# KiCad board XG_Mobile_Dock.kicad_pcb (continued)
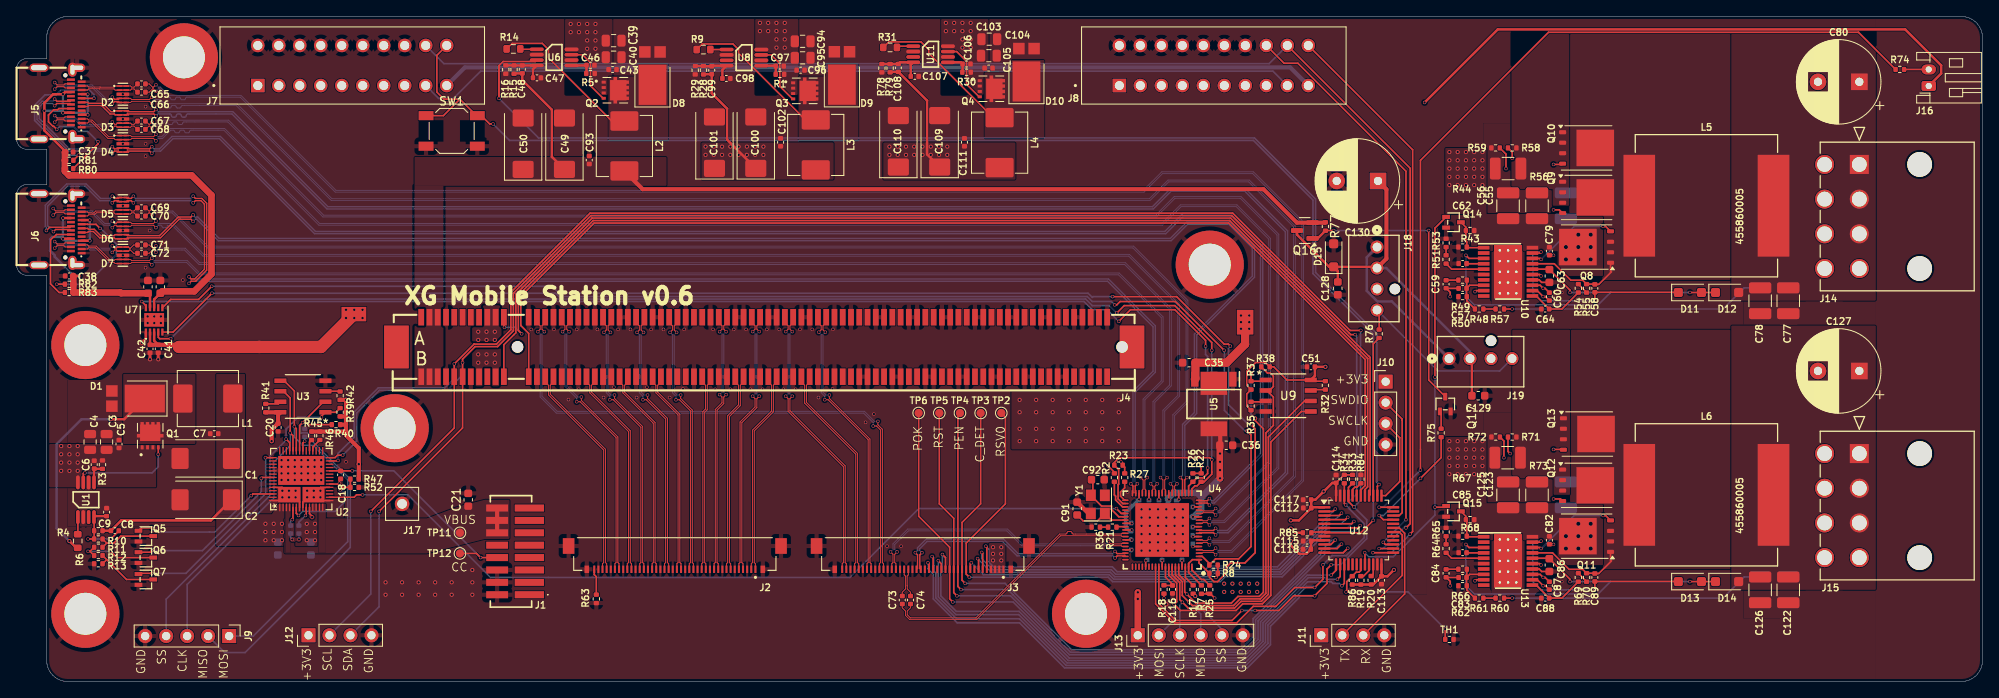
[diagram p0: board, top side]
## Library data of the parts (continued)
J4 = -: MAXIMUM_PACKAGE_HEIGHT: 11 mm; Part_Number: 3113-113T; LCSC: C404104
J5 J6 = -: Datasheet: https://www.usb.org/sites/default/files/documents/usb_type-c.zip; Description: USB Full-Featured Type-C Receptacle connector; LCSC: C2681555; Part_Number: TYPE-C 24P QT; ki_fp_filters: USB*C*Receptacle*
J7 = -: Description: Generic connector, double row, 02x10, odd/even pin numbering scheme (row 1 odd numbers, row 2 even numbers), script generated (kicad-library-utils/schlib/autogen/connector/); LCSC: C305933; Part_Number: 5-5530843-0; ki_fp_filters: Connector*:*_2x??_*
J8 = -: Description: Generic connector, double row, 02x10, odd/even pin numbering scheme (row 1 odd numbers, row 2 even numbers), script generated (kicad-library-utils/schlib/autogen/connector/); Part_Number: 5-5530843-0; LCSC: C305933; ki_fp_filters: Connector*:*_2x??_*
J9 = -: Description: Generic connector, single row, 01x05, script generated (kicad-library-utils/schlib/autogen/connector/); Part_Number: 2.54-1*5; LCSC: C5156614; ki_fp_filters: Connector*:*_1x??_*
J10-J12 = -: Description: Generic connector, single row, 01x04, script generated (kicad-library-utils/schlib/autogen/connector/); Part_Number: 2.54-1*4; LCSC: C5116483; ki_fp_filters: Connector*:*_1x??_*
J13 = -: Description: Generic connector, single row, 01x06, script generated (kicad-library-utils/schlib/autogen/connector/); Part_Number: 2.54-1*6; LCSC: C5156615; ki_fp_filters: Connector*:*_1x??_*
J14 J15 = -: Description: Generic connector, double row, 02x04, top/bottom pin numbering scheme (row 1: 1...pins_per_row, row2: pins_per_row+1 ... num_pins), script generated (kicad-library-utils/schlib/autogen/connector/); Part_Number: 0455860005; LCSC: C17693884; ki_fp_filters: Connector*:*_2x??_*
J16 = -: Description: Generic connector, single row, 01x02, script generated (kicad-library-utils/schlib/autogen/connector/); Part_Number: S2B-PH-KL(LF)(SN); LCSC: C160237; ki_fp_filters: Connector*:*_1x??_*
J17 = -: PARTREV: C; STANDARD: Manufacturer Recommendations; MAXIMUM_PACKAGE_HEIGHT: 6.25 mm; MANUFACTURER: Keystone; LCSC: C7200700
J18 J19 = -: Description: Generic connector, single row, 01x04, script generated (kicad-library-utils/schlib/autogen/connector/); Part_Number: 470531000; LCSC: C240840; ki_fp_filters: Connector*:*_1x??_*
L1-L4 = -: Description: Inductor; Part_Number: TMPA0605S-100MN-D; LCSC: C2880077; ki_fp_filters: Choke_* *Coil* Inductor_* L_*
L5 L6 = -: Description: Inductor with iron core; Part_Number: SMMS1770-100M; LCSC: C2976967; ki_fp_filters: Choke_* *Coil* Inductor_* L_*
Q1-Q4 = -: PARTREV: G; STANDARD: Manufacturer Recommendations; MAXIMUM_PACKAGE_HEIGHT: 0.9 mm; MANUFACTURER: Alpha & Omega; LCSC: C115841
Q5-Q7 Q14 Q15 Q17 = -: LCSC: C7420322; ki_fp_filters: SOT?323*
Q8 Q11 = -: Datasheet: http://www.ti.com/lit/gpn/csd18563q5a; Description: 100A Id, 60V Vds, NexFET N-Channel Power MOSFET, 6.8mOhm Ron, 15nC Qg(typ), SON8 5x6mm; LCSC: C77239; ki_fp_filters: TDSON*
Q9 Q10 Q12 Q13 = -: Datasheet: http://www.ti.com/lit/gpn/csd18532q5b; Description: 100A Id, 60V Vds, NexFET N-Channel Power MOSFET, 3.2mOhm Ron, 44nC Qg(typ), SON8 5x6mm; Part_Number: CSD18532Q5BT; LCSC: C2876541; ki_fp_filters: TDSON*
Q16 = -: Datasheet: http://www.aosmd.com/pdfs/datasheet/AO3401A.pdf; Description: -4.0A Id, -30V Vds, P-Channel MOSFET, SOT-23; LCSC: C15127; ki_fp_filters: SOT?23*
R1 R3 R30 = -: Description: Resistor; Part_Number: 0402WGF4702TCE; LCSC: C25792; ki_fp_filters: R_*
R2 R7 R8 R22 R23 R63 R77 = -: Description: Resistor; LCSC: C25744; Part_Number: 0402WGF1002TCE; ki_fp_filters: R_*
R4 = -: Description: Resistor; Part_Number: 0402WGF4992TCE; LCSC: C25897; ki_fp_filters: R_*
R5 = -: Description: Resistor; Part_Number: 0402WGF6802TCE; LCSC: C36871; ki_fp_filters: R_*
R6 R9 R14 R31 = -: Description: Resistor; Part_Number: 0603WAF2700T5E; LCSC: C22966; ki_fp_filters: R_*
R10 R12 = -: Description: Resistor; Part_Number: 0402WGF3301TCE; LCSC: C25890; ki_fp_filters: R_*
R11 = -: Description: Resistor; Part_Number: 0402WGF1201TCE; LCSC: C25862; ki_fp_filters: R_*
R13 = -: Description: Resistor; Part_Number: 0402WGF8201TCE; LCSC: C25924; ki_fp_filters: R_*
R15 = -: Description: Resistor; Part_Number: 0402WGF3302TCE; LCSC: C25779; ki_fp_filters: R_*
R16 R29 = -: Description: Resistor; Part_Number: 0402WGF3901TCE; LCSC: C51721; ki_fp_filters: R_*
R17 R18 = -: Description: Resistor; LCSC: C25900; Part_Number: 0402WGF4701TCE; ki_fp_filters: R_*
R19 R20 R32 R35 R37-R42 R45 R46 = -: Description: Resistor; Part_Number: 0402WGF4701TCE; LCSC: C25900; ki_fp_filters: R_*
R21 R48 R61 R85 = -: Description: Resistor, small symbol; Part_Number: 0402WGF1002TCE; LCSC: C25744; ki_fp_filters: R_*
R24-R27 R86 = -: Description: Resistor; LCSC: C25741; Part_Number: 0402WGF1003TCE; ki_fp_filters: R_*
R28 R79 = -: Description: Resistor; Part_Number: 0402WGF1202TCE; LCSC: C25752; ki_fp_filters: R_*
R33 R34 R47 = -: Description: Resistor; Part_Number: 0402WGF1002TCE; LCSC: C25744; ki_fp_filters: R_*
R36 = -: Description: Resistor, small symbol; Part_Number: 0402WGF2401TCE; LCSC: C25882; ki_fp_filters: R_*
R43 R54 R68 R69 = -: Description: Resistor, small symbol; Part_Number: 0402WGF1003TCE; LCSC: C25741; ki_fp_filters: R_*
R44 R67 = -: Description: Resistor, small symbol; Part_Number: 0402WGF7501TCE; LCSC: C25918; ki_fp_filters: R_*
R49 R66 = -: Description: Resistor, small symbol; Part_Number: 0402WGF3301TCE; LCSC: C25890; ki_fp_filters: R_*
R50 R62 = -: Description: Resistor, small symbol; Part_Number: 0402WGF6800TCE; LCSC: C25130; ki_fp_filters: R_*
R51 R64 = -: Description: Resistor, small symbol; Part_Number: 0402WGF2402TCE; LCSC: C25769; ki_fp_filters: R_*
R52 = -: Description: Resistor; Part_Number: 0402WGF1003TCE; LCSC: C25741; ki_fp_filters: R_*
R53 R65 R84 = -: Description: Resistor, small symbol; Part_Number: 0402WGF1001TCE; LCSC: C11702; ki_fp_filters: R_*
R55 R70 = -: Description: Resistor, small symbol; Part_Number: 0402WGF3302TCE; LCSC: C25779; ki_fp_filters: R_*
R56 R73 = -: Description: Resistor; Part_Number: PMR25HZPFU5L00; LCSC: C253508; ki_fp_filters: R_*
R57 R60 = -: Description: Resistor, small symbol; Part_Number: 0402WGF499JTCE; LCSC: C25120; ki_fp_filters: R_*
R58 R59 R71 R72 R75 = -: Description: Resistor, small symbol; Part_Number: 0402WGF1000TCE; LCSC: C25076; ki_fp_filters: R_*
R74 = -: Description: Resistor, small symbol; Part_Number: 0402WGF4702TCE; LCSC: C25792; ki_fp_filters: R_*
R76 = -: Description: Resistor, small symbol; Part_Number: 0402WGF3300TCE; LCSC: C25104; ki_fp_filters: R_*
R78 = -: Description: Resistor; Part_Number: 0402WGF2002TCE; LCSC: C25765; ki_fp_filters: R_*
R80-R83 = -: Description: Resistor, small symbol; Part_Number: 0402WGF2202TCE; LCSC: C25768; ki_fp_filters: R_*
SW1 = -: Description: Push button switch, generic, two pins; Part_Number: TS-1187A-B-A-B; LCSC: C318884
TH1 = -: Description: Temperature dependent resistor, negative temperature coefficient; LCSC: C77130; ki_fp_filters: *NTC* *Thermistor* PIN?ARRAY* bornier* *Terminal?Block* R_*
TP2-TP6 TP11 TP12 = -: Description: test point; ki_fp_filters: Pin* Test*
U1 U6 U8 U11 = -: Datasheet: LM3489QMM/NOPB; LCSC: C529297; ki_fp_filters: DGK0008A
U2 = -: LCSC: C2868843; ki_fp_filters: RSH56_7P15X7P15_TEX
U3 U9 = -: PARTREV: 1.6; STANDARD: IPC-7351B; MAXIMUM_PACKAGE_HEIGHT: 1.75mm; MANUFACTURER: Macronix; LCSC: C106262
U4 = -: Description: C2841047; uuid: std:e890d40fbb624ecfa7b32be7bc9d3cba; LCSC: C2841047
U5 = -: Datasheet: https://www.diodes.com/assets/Datasheets/AP7361.pdf; Description: LDO Voltage Regulators 1A ADJ LDO Fixed Reg 1.0V 150mV 300mA; LCSC: C460389; Height: 1.8; Mouser Part Number: 621-AP7361-10ER-13; Mouser Price/Stock: https://www.mouser.co.uk/ProductDetail/Diodes-Incorporated/AP7361-10ER-13?qs=gfe7vQ8txpWLIGOALwWuBg%3D%3D; Manufacturer_Name: Diodes Incorporated
U7 = -: LCSC: C2149914; ki_fp_filters: DRC10_1P65X2P40_TEX
U10 U13 = -: Datasheet: LM5117PMH/NOPB; LCSC: C390088; ki_fp_filters: PWP0020A_N PWP0020A_M PWP0020A_L
U12 = -: Datasheet: https://www.st.com/resource/en/datasheet/stm32f030c8.pdf; Description: STMicroelectronics Arm Cortex-M0 MCU, 64KB flash, 8KB RAM, 48 MHz, 2.4-3.6V, 39 GPIO, LQFP48; Part_Number: STM32F030C8T6; LCSC: C23922; ki_fp_filters: LQFP*7x7mm*P0.5mm*
Y1 = -: Description: Two pin crystal; Part_Number: X322525MOB4SI; LCSC: C9006; ki_fp_filters: Crystal*

## Footprints (pads in the part's own frame, mm; a bottom-side part is the same pattern mirrored in y, then rotated)
5-1775443-8
  rect 3.55x0.85 smd: 1(-2.225,5.25) 2(-2.225,3.75) 3(-2.225,2.25) 4(-2.225,0.75) 5(-2.225,-0.75) 6(-2.225,-2.25) 7(-2.225,-3.75) 8(-2.225,-5.25)
  rect 2.65x0.85 smd: 9(1.675,-5.25) 10(1.675,-3.75) 11(1.675,-2.25) 12(1.675,-0.75) 13(1.675,0.75) 14(1.675,2.25) 15(1.675,3.75) 16(1.675,5.25)
5-5530843-0
  rect 1.638x1.638 hole 1.092: 1(-11.43,-2.426)
  round 1.638 hole 1.092: 2(-11.43,2.426) 3(-8.89,-2.426) 4(-8.89,2.426) 5(-6.35,-2.426) 6(-6.35,2.426) 7(-3.81,-2.426) 8(-3.81,2.426) 9(-1.27,-2.426) 10(-1.27,2.426) 11(1.27,-2.426) 12(1.27,2.426) 13(3.81,-2.426) 14(3.81,2.426) 15(6.35,-2.426) 16(6.35,2.426) 17(8.89,-2.426) 18(8.89,2.426) 19(11.43,-2.426) 20(11.43,2.426)
20455-040E-76
  rect 0.25x0.9 smd: 1(-9.75,1.92) 2(-9.25,1.92) 3(-8.75,1.92) 4(-8.25,1.92) 5(-7.75,1.92) 6(-7.25,1.92) 7(-6.75,1.92) 8(-6.25,1.92) 9(-5.75,1.92) 10(-5.25,1.92) 11(-4.75,1.92) 12(-4.25,1.92) 13(-3.75,1.92) 14(-3.25,1.92) 15(-2.75,1.92) 16(-2.25,1.92) 17(-1.75,1.92) 18(-1.25,1.92) 19(-0.75,1.92) 20(-0.25,1.92) 21(0.25,1.92) 22(0.75,1.92) 23(1.25,1.92) 24(1.75,1.92) 25(2.25,1.92) 26(2.75,1.92) 27(3.25,1.92) 28(3.75,1.92) 29(4.25,1.92) 30(4.75,1.92) 31(5.25,1.92) 32(5.75,1.92) 33(6.25,1.92) 34(6.75,1.92) 35(7.25,1.92) 36(7.75,1.92) 37(8.25,1.92) 38(8.75,1.92) 39(9.25,1.92) 40(9.75,1.92)
  rect 0.55x0.9 smd: S1(-10.65,1.92) S3(10.65,1.92)
  rect 1.4x1.9 smd: S2(-12.85,-0.9) S4(12.85,-0.9)
AZ1045-04F
  rect 0.2x0.665 smd: 1(-1,-0.433) 2(-0.5,-0.433) 4(0.5,-0.433) 5(1,-0.433) 6(1,0.433) 7(0.5,0.433) 9(-0.5,0.433) 10(-1,0.433)
  rect 0.4x0.665 smd: 3(0,-0.433) 8(0,0.433)
C_0402_1005Metric
  rrect 0.56x0.62 smd: 1(-0.48,0) 2(0.48,0)
C_0603_1608Metric
  rrect 0.9x0.95 smd: 1(-0.775,0) 2(0.775,0)
C_0805_2012Metric
  rrect 1x1.45 smd: 1(-0.95,0) 2(0.95,0)
C_1210_3225Metric_Pad1.33x2.70mm_HandSolder
  rrect 1.325x2.7 smd: 1(-1.562,0) 2(1.562,0)
CON_455860005_MOL
  round 3 hole 3 unplated: (-12.6,-7.3) (0,-7.3)
  rect 2.3x2.3 hole 1.8: 1(0,0)
  round 2.3 hole 1.8: 2(-4.2,0) 3(-8.4,0) 4(-12.6,0) 5(0,4.2) 6(-4.2,4.2) 7(-8.4,4.2) 8(-12.6,4.2)
CONN-SMD_164P-P1.00-V_3133
  round 1.4 hole 1.4 unplated: (-29.85,0) (43.3,0)
  rect 3x5.2 smd: 165(44.5,0) 166(-44.5,0)
  rect 0.7x2 smd: A1(-41.5,3.6) A2(-40.5,3.6) A3(-39.5,3.6) A4(-38.5,3.6) A5(-37.5,3.6) A6(-36.5,3.6) A7(-35.5,3.6) A8(-34.5,3.6) A9(-33.5,3.6) A10(-32.5,3.6) A11(-31.5,3.6) A12(-28.5,3.6) A13(-27.5,3.6) A14(-26.5,3.6) A15(-25.5,3.6) A16(-24.5,3.6) A17(-23.5,3.6) A18(-22.5,3.6) A19(-21.5,3.6) A20(-20.5,3.6) A21(-19.5,3.6) A22(-18.5,3.6) A23(-17.5,3.6) A24(-16.5,3.6) A25(-15.5,3.6) A26(-14.5,3.6) A27(-13.5,3.6) A28(-12.5,3.6) A29(-11.5,3.6) A30(-10.5,3.6) A31(-9.5,3.6) A32(-8.5,3.6) A33(-7.5,3.6) A34(-6.5,3.6) A35(-5.5,3.6) A36(-4.5,3.6) A37(-3.5,3.6) A38(-2.5,3.6) A39(-1.5,3.6) A40(-0.5,3.6) A41(0.5,3.6) A42(1.5,3.6) A43(2.5,3.6) A44(3.5,3.6) A45(4.5,3.6) A46(5.5,3.6) A47(6.5,3.6) A48(7.5,3.6) A49(8.5,3.6) A50(9.5,3.6) A51(10.5,3.6) A52(11.5,3.6) A53(12.5,3.6) A54(13.5,3.6) A55(14.5,3.6) A56(15.5,3.6) A57(16.5,3.6) A58(17.5,3.6) A59(18.5,3.6) A60(19.5,3.6) A61(20.5,3.6) A62(21.5,3.6) A63(22.5,3.6) A64(23.5,3.6) A65(24.5,3.6) A66(25.5,3.6) A67(26.5,3.6) A68(27.5,3.6) A69(28.5,3.6) A70(29.5,3.6) A71(30.5,3.6) A72(31.5,3.6) A73(32.5,3.6) A74(33.5,3.6) A75(34.5,3.6) A76(35.5,3.6) A77(36.5,3.6) A78(37.5,3.6) A79(38.5,3.6) A80(39.5,3.6) A81(40.5,3.6) A82(41.5,3.6) B1(-41.5,-3.6) B2(-40.5,-3.6) B3(-39.5,-3.6) B4(-38.5,-3.6) B5(-37.5,-3.6) B6(-36.5,-3.6) B7(-35.5,-3.6) B8(-34.5,-3.6) B9(-33.5,-3.6) B10(-32.5,-3.6) B11(-31.5,-3.6) B12(-28.5,-3.6) B13(-27.5,-3.6) B14(-26.5,-3.6) B15(-25.5,-3.6) B16(-24.5,-3.6) B17(-23.5,-3.6) B18(-22.5,-3.6) B19(-21.5,-3.6) B20(-20.5,-3.6) B21(-19.5,-3.6) B22(-18.5,-3.6) B23(-17.5,-3.6) B24(-16.5,-3.6) B25(-15.5,-3.6) B26(-14.5,-3.6) B27(-13.5,-3.6) B28(-12.5,-3.6) B29(-11.5,-3.6) B30(-10.5,-3.6) B31(-9.5,-3.6) B32(-8.5,-3.6) B33(-7.5,-3.6) B34(-6.5,-3.6) B35(-5.5,-3.6) B36(-4.5,-3.6) B37(-3.5,-3.6) B38(-2.5,-3.6) B39(-1.5,-3.6) B40(-0.5,-3.6) B41(0.5,-3.6) B42(1.5,-3.6) B43(2.5,-3.6) B44(3.5,-3.6) B45(4.5,-3.6) B46(5.5,-3.6) B47(6.5,-3.6) B48(7.5,-3.6) B49(8.5,-3.6) B50(9.5,-3.6) B51(10.5,-3.6) B52(11.5,-3.6) B53(12.5,-3.6) B54(13.5,-3.6) B55(14.5,-3.6) B56(15.5,-3.6) B57(16.5,-3.6) B58(17.5,-3.6) B59(18.5,-3.6) B60(19.5,-3.6) B61(20.5,-3.6) B62(21.5,-3.6) B63(22.5,-3.6) B64(23.5,-3.6) B65(24.5,-3.6) B66(25.5,-3.6) B67(26.5,-3.6) B68(27.5,-3.6) B69(28.5,-3.6) B70(29.5,-3.6) B71(30.5,-3.6) B72(31.5,-3.6) B73(32.5,-3.6) B74(33.5,-3.6) B75(34.5,-3.6) B76(35.5,-3.6) B77(36.5,-3.6) B78(37.5,-3.6) B79(38.5,-3.6) B80(39.5,-3.6) B81(40.5,-3.6) B82(41.5,-3.6)
CONN_SD-47053-001_H10p00_MOL
  round 1.295 hole 1.295 unplated: (-5.08,-2.16)
  round 1.575 hole 1.067: 1(0,0) 2(-2.54,0) 3(-5.08,0) 4(-7.62,0)
CP_EIA-7343-43_Kemet-X
  rrect 2.075x2.55 smd: 1(-3.112,0) 2(3.112,0)
CP_Radial_D10.0mm_P5.00mm
  rect 2x2 hole 1: 1(0,0)
  round 2 hole 1: 2(5,0)
Crystal_SMD_3225-4Pin_3.2x2.5mm
  rect 1.4x1.2 smd: 1(-1.1,-0.85) 2(1.1,-0.85) 3(1.1,0.85) 4(-1.1,0.85)
D_PowerDI-5
  rect 4.86x3.36 smd: 1(-1.12,0)
  rect 1.4x1.39 smd: 2(2.862,0.92) 2(2.862,-0.92)
D_SOD-123F
  rrect 1.1x1.1 smd: 1(-1.4,0) 2(1.4,0)
DRC10_1P65X2P40_TEX
  rect 0.85x0.28 smd: 1(-1.475,1) 2(-1.475,0.5) 3(-1.475,0) 4(-1.475,-0.5) 5(-1.475,-1) 6(1.475,-1) 7(1.475,-0.5) 8(1.475,0) 9(1.475,0.5) 10(1.475,1)
  rect 1.65x2.4 smd: 11(0,0)
Hole_200mil
  round 8.25 hole 5.08: 1(0,0)
JST_PH_S2B-PH-K_1x02_P2.00mm_Horizontal
  rrect 1.2x1.75 hole 0.75: 1(0,0)
  oval 1.2x1.75 hole 0.75: 2(2,0)
KEYSTONE_8730
  round 1.755 hole 1.17: 1(0,0)
L_Abracon_ASPI-0630LR
  rrect 2.35x3.4 smd: 1(-3.025,0) 2(3.025,0)
L_Vishay_IHLP-6767
  rect 3.825x12.32 smd: 1(-8.123,0) 2(8.123,0)
LM3489QMM-NOPB
  oval 1.7x0.45 smd: 1(-2.1,0.975) 2(-2.1,0.325) 3(-2.1,-0.325) 4(-2.1,-0.975) 5(2.1,-0.975) 6(2.1,-0.325) 7(2.1,0.325) 8(2.1,0.975)
LQFP-48_7x7mm_P0.5mm
  rrect 1.475x0.3 smd: 1(-4.162,2.75) 2(-4.162,2.25) 3(-4.162,1.75) 4(-4.162,1.25) 5(-4.162,0.75) 6(-4.162,0.25) 7(-4.162,-0.25) 8(-4.162,-0.75) 9(-4.162,-1.25) 10(-4.162,-1.75) 11(-4.162,-2.25) 12(-4.162,-2.75) 25(4.162,-2.75) 26(4.162,-2.25) 27(4.162,-1.75) 28(4.162,-1.25) 29(4.162,-0.75) 30(4.162,-0.25) 31(4.162,0.25) 32(4.162,0.75) 33(4.162,1.25) 34(4.162,1.75) 35(4.162,2.25) 36(4.162,2.75)
  rrect 0.3x1.475 smd: 13(-2.75,-4.162) 14(-2.25,-4.162) 15(-1.75,-4.162) 16(-1.25,-4.162) 17(-0.75,-4.162) 18(-0.25,-4.162) 19(0.25,-4.162) 20(0.75,-4.162) 21(1.25,-4.162) 22(1.75,-4.162) 23(2.25,-4.162) 24(2.75,-4.162) 37(2.75,4.162) 38(2.25,4.162) 39(1.75,4.162) 40(1.25,4.162) 41(0.75,4.162) 42(0.25,4.162) 43(-0.25,4.162) 44(-0.75,4.162) 45(-1.25,4.162) 46(-1.75,4.162) 47(-2.25,4.162) 48(-2.75,4.162)
MX25L8006EM1I-12G
  rect 1.46x0.559 smd: 1(-2.724,1.905) 2(-2.724,0.635) 3(-2.724,-0.635) 4(-2.724,-1.905) 5(2.724,-1.905) 6(2.724,-0.635) 7(2.724,0.635) 8(2.724,1.905)
PinHeader_1x04_P2.54mm_Vertical
  rect 1.7x1.7 hole 1: 1(0,0)
  oval 1.7x1.7 hole 1: 2(0,-2.54) 3(0,-5.08) 4(0,-7.62)
PinHeader_1x05_P2.54mm_Vertical
  rect 1.7x1.7 hole 1: 1(0,0)
  oval 1.7x1.7 hole 1: 2(0,-2.54) 3(0,-5.08) 4(0,-7.62) 5(0,-10.16)
PinHeader_1x06_P2.54mm_Vertical
  rect 1.7x1.7 hole 1: 1(0,0)
  oval 1.7x1.7 hole 1: 2(0,-2.54) 3(0,-5.08) 4(0,-7.62) 5(0,-10.16) 6(0,-12.7)
PWP0020A_N
  rect 1.4x0.45 smd: 1(-2.95,2.925) 2(-2.95,2.275) 3(-2.95,1.625) 4(-2.95,0.975) 5(-2.95,0.325) 6(-2.95,-0.325) 7(-2.95,-0.975) 8(-2.95,-1.625) 9(-2.95,-2.275) 10(-2.95,-2.925) 11(2.95,-2.925) 12(2.95,-2.275) 13(2.95,-1.625) 14(2.95,-0.975) 15(2.95,-0.325) 16(2.95,0.325) 17(2.95,0.975) 18(2.95,1.625) 19(2.95,2.275) 20(2.95,2.925)
  round 0.5 hole 0.3: 21(-1,2.6) 21(-1,1.3) 21(-1,0) 21(-1,-1.3) 21(-1,-2.6) 21(0,2.6) 21(0,1.3) 21(0,0) 21(0,-1.3) 21(0,-2.6) 21(1,2.6) 21(1,1.3) 21(1,0) 21(1,-1.3) 21(1,-2.6)
  rect 3.4x6.5 smd: 21(0,0)
R_0402_1005Metric
  rrect 0.54x0.64 smd: 1(-0.51,0) 2(0.51,0)
R_0603_1608Metric
  rrect 0.8x0.95 smd: 1(-0.825,0) 2(0.825,0)
R_1210_3225Metric_Pad1.30x2.65mm_HandSolder
  rrect 1.3x2.65 smd: 1(-1.55,0) 2(1.55,0)
SOT230P700X180-4N
  rect 1.8x0.9 smd: 1(-3,2.3) 2(-3,0) 3(-3,-2.3)
  rect 1.8x3.2 smd: 4(3,0)
SOT-23
  rrect 1.475x0.6 smd: 1(-0.938,0.95) 2(-0.938,-0.95) 3(0.938,0)
SOT-323-3_L2.0-W1.3-P1.30-LS2.1-BR
  rect 0.936x0.5 smd: 1(0.898,-0.65) 2(0.898,0.65) 3(-0.898,0)
SW_SPST_SKQG_WithStem
  rect 1.8x1.1 smd: 1(-3.1,1.85) 1(3.1,1.85) 2(-3.1,-1.85) 2(3.1,-1.85)
TDSON-8-1
  rrect 1.5x1.5 smd: (-0.2,0.85) (-0.2,-0.85) (1.5,0.85) (1.5,-0.85)
  custom 4.55x4.41 smd: (0.65,0)
  rrect 0.75x0.5 smd: (2.905,1.905) (2.905,0.635) (2.905,-0.635) (2.905,-1.905)
  rrect 0.85x0.5 smd: 1(-2.9,1.905) 2(-2.9,0.635) 3(-2.9,-0.635) 4(-2.9,-1.905)
  rect 4.55x4.41 smd: 5(1.05,0)
TestPoint_Pad_D1.0mm
  round 1 smd: 1(0,0)
TPS65987DDHRSHR
  rect 0.914x0.152 smd: 1(-3.429,2.6) 2(-3.429,2.2) 3(-3.429,1.8) 4(-3.429,1.4) 5(-3.429,1) 6(-3.429,0.6) 7(-3.429,0.2) 8(-3.429,-0.2) 9(-3.429,-0.6) 10(-3.429,-1) 11(-3.429,-1.4) 12(-3.429,-1.8) 13(-3.429,-2.2) 14(-3.429,-2.6) 29(3.429,-2.6) 30(3.429,-2.2) 31(3.429,-1.8) 32(3.429,-1.4) 33(3.429,-1) 34(3.429,-0.6) 35(3.429,-0.2) 36(3.429,0.2) 37(3.429,0.6) 38(3.429,1) 39(3.429,1.4) 40(3.429,1.8) 41(3.429,2.2) 42(3.429,2.6)
  rect 0.152x0.914 smd: 15(-2.6,-3.429) 16(-2.2,-3.429) 17(-1.8,-3.429) 18(-1.4,-3.429) 19(-1,-3.429) 20(-0.6,-3.429) 21(-0.2,-3.429) 22(0.2,-3.429) 23(0.6,-3.429) 24(1,-3.429) 25(1.4,-3.429) 26(1.8,-3.429) 27(2.2,-3.429) 28(2.6,-3.429) 43(2.6,3.429) 44(2.2,3.429) 45(1.8,3.429) 46(1.4,3.429) 47(1,3.429) 48(0.6,3.429) 49(0.2,3.429) 50(-0.2,3.429) 51(-0.6,3.429) 52(-1,3.429) 53(-1.4,3.429) 54(-1.8,3.429) 55(-2.2,3.429) 56(-2.6,3.429)
  rect 1.854x2.692 smd: 57(-1.875,1.45)
  rect 1.854x2.642 smd: 58(-1.875,-1.475)
  rect 3.505x5.588 smd: 59(1.05,0)
TRANS_AON7403
  rect 0.5x0.35 smd: 1(-1.4,0.975) 1(-1.4,0.325) 1(-1.4,-0.325) 4(-1.4,-0.975)
  custom 2.29x3.22 smd: 5_8(0,0)
USB-C-SMD_TYPE-C-24P-QT
  round 0.5 hole 0.5 unplated: (-3.4,0.613) (3.4,0.613)
  rect 0.3x0.95 smd: A1(-2.625,2.587) A2(-2.125,2.587) A3(-1.625,2.587) A4(-1.125,2.587) A5(-0.625,2.587) A6(-0.125,2.587) A7(0.375,2.587) A8(0.875,2.587) A9(1.375,2.587) A10(1.875,2.587) A11(2.375,2.587) A12(2.875,2.587) B1(2.625,1.288) B2(2.125,1.288) B3(1.625,1.288) B4(1.125,1.288) B5(0.625,1.288) B6(0.125,1.288) B7(-0.375,1.288) B8(-0.875,1.288) B9(-1.375,1.288) B10(-1.875,1.288) B11(-2.375,1.288) B12(-2.875,1.288)
  oval 1x2.3 hole 0.6x1.9: S1(-4.32,-2.587) S1(4.32,-2.587)
  oval 1x1.95 hole 0.5x1.5: S1(-4.318,2.032) S1(4.318,2.032)
  oval 1.7x1 hole 1.2x0.5: S1(-4.082,1.468) S1(4.046,1.468)
VL822-QFN76
  oval 0.8x0.2 smd: 1(-4.45,3.599) 2(-4.45,3.2) 3(-4.45,2.799) 4(-4.45,2.4) 5(-4.45,1.999) 6(-4.45,1.6) 7(-4.45,1.199) 8(-4.45,0.8) 9(-4.45,0.399) 10(-4.45,0) 11(-4.45,-0.399) 12(-4.45,-0.8) 13(-4.45,-1.199) 14(-4.45,-1.6) 15(-4.45,-1.999) 16(-4.45,-2.4) 17(-4.45,-2.799) 18(-4.45,-3.2) 19(-4.45,-3.599) 39(4.45,-3.599) 40(4.45,-3.2) 41(4.45,-2.799) 42(4.45,-2.4) 43(4.45,-1.999) 44(4.45,-1.6) 45(4.45,-1.199) 46(4.45,-0.8) 47(4.45,-0.399) 48(4.45,0) 49(4.45,0.399) 50(4.45,0.8) 51(4.45,1.199) 52(4.45,1.6) 53(4.45,1.999) 54(4.45,2.4) 55(4.45,2.799) 56(4.45,3.2) 57(4.45,3.599)
  oval 0.2x0.8 smd: 20(-3.599,-4.45) 21(-3.2,-4.45) 22(-2.799,-4.45) 23(-2.4,-4.45) 24(-1.999,-4.45) 25(-1.6,-4.45) 26(-1.199,-4.45) 27(-0.8,-4.45) 28(-0.399,-4.45) 29(0,-4.45) 30(0.399,-4.45) 31(0.8,-4.45) 32(1.199,-4.45) 33(1.6,-4.45) 34(1.999,-4.45) 35(2.4,-4.45) 36(2.799,-4.45) 37(3.2,-4.45) 38(3.599,-4.45) 58(3.599,4.45) 59(3.2,4.45) 60(2.799,4.45) 61(2.4,4.45) 62(1.999,4.45) 63(1.6,4.45) 64(1.199,4.45) 65(0.8,4.45) 66(0.399,4.45) 67(0,4.45) 68(-0.399,4.45) 69(-0.8,4.45) 70(-1.199,4.45) 71(-1.6,4.45) 72(-1.999,4.45) 73(-2.4,4.45) 74(-2.799,4.45) 75(-3.2,4.45) 76(-3.599,4.45)
  rect 6.5x6.5 smd: 77(0,0)

## Nets
+3V3: C14.1 C15.1 C26.1 C28.1 C30.1 C34.1 C35.1 C51.1 C108.1 C109.1 C110.1 C111.1 C112.1 C113.1 C114.1 C115.1 C117.1 C118.1 J3.1 J3.2 J3.3 J3.4 J4.A9 J4.A10 J4.B8 J4.B10 J10.1 J11.1 J12.1 J13.1 L4.2 R2.2 R7.1 R8.2 R18.2 R19.1 R20.1 R22.1 R23.1 R24.2 R25.2 R26.1 R27.1 R32.1 R33.1 R34.1 R35.1 R37.1 R38.1 R78.1 R85.2 R86.2 U2.5 U4.17 U4.24 U4.46 U4.62 U4.73 U5.3 U9.8 U12.1 U12.9 U12.24 U12.48
+5V: C41.1 C42.1 C99.1 C100.1 C101.1 C102.1 J16.1 L3.2 R28.1 U7.2 U7.3
+12V: C48.1 C49.1 C50.1 C93.1 J4.A2 J4.A3 J4.B1 J4.B2 J4.B3 L2.2 Q16.2 R15.1 R77.1
+20V: C3.1 C4.1 C5.1 C6.1 C39.1 C40.1 C43.1 C46.1 C52.1 C53.1 C54.1 C55.1 C56.1 C79.2 C82.2 C90.1 C94.1 C95.1 C96.1 C97.1 C103.1 C104.1 C105.1 C106.1 C119.1 C121.1 C123.1 C125.1 J7.1 J7.3 J7.5 J7.7 J7.9 J7.11 J7.13 J7.15 J8.1 J8.3 J8.5 J8.7 J8.9 J8.11 J8.13 J8.15 Q1.1 Q2.1 Q3.1 Q4.1 Q8.5 Q11.5 R1.1 R3.1 R5.1 R30.1 R43.1 R68.1 U1.8 U6.8 U8.8 U10.20 U11.8 U13.20
/12V_EN: U6.3 U12.38
/Power 12V (1)/VCC: C63.1 D11.2 D12.1 U10.3 U10.16
/Power 12V (2)/VCC: C86.1 D13.2 D14.1 U13.3 U13.16
/USB Hub/+1V0: C10.1 C11.1 C12.1 C13.1 C16.1 C17.1 C19.1 C27.1 C29.1 C31.1 C32.1 C33.1 C36.1 U4.5 U4.8 U4.11 U4.14 U4.27 U4.30 U4.33 U4.36 U4.48 U4.51 U4.54 U4.67 U5.2 U5.4
/USB Hub/VBUSDET: U2.16 U4.43
/VBUS: C21.1 J1.9 J1.10 J1.11 TP11.1 U2.3 U2.4 U2.13 U2.14
GND: C1.2 C2.2 C3.2 C4.2 C5.2 C7.2 C9.2 C10.2 C11.2 C12.2 C13.2 C14.2 C15.2 C16.2 C17.2 C18.2 C19.2 C20.2 C21.2 C22.2 C23.2 C24.2 C25.2 C26.2 C27.2 C28.2 C29.2 C30.2 C31.2 C32.2 C33.2 C34.2 C35.2 C36.2 C37.2 C38.2 C39.2 C40.2 C41.2 C42.2 C43.2 C44.2 C45.2 C47.2 C49.2 C50.2 C51.2 C52.2 C53.2 C54.2 C55.2 C56.2 C62.1 C63.2 C64.1 C75.2 C76.2 C77.2 C78.2 C79.1 C80.2 C82.1 C85.1 C86.2 C88.1 C90.2 C91.2 C92.2 C93.2 C94.2 C95.2 C96.2 C98.2 C100.2 C101.2 C102.2 C103.2 C104.2 C105.2 C107.2 C109.2 C110.2 C111.2 C112.2 C113.2 C114.2 C115.2 C116.2 C117.2 C118.2 C119.2 C120.2 C121.2 C122.2 C123.2 C124.2 C125.2 C126.2 C127.2 C128.2 C129.2 C130.2 D1.2 D2.3 D2.8 D3.3 D3.8 D4.3 D4.8 D5.3 D5.8 D6.3 D6.8 D7.3 D7.8 D8.2 D9.2 D10.2 D15.2 H1.1 H2.1 H3.1 H4.1 H5.1 H6.1 J1.14 J1.15 J1.16 J2.3 J2.6 J2.9 J2.12 J2.15 J2.18 J2.21 J2.24 J2.27 J2.30 J2.33 J2.36 J2.39 J2.S1 J2.S2 J2.S3 J2.S4 J3.17 J3.20 J3.23 J3.26 J3.29 J3.32 J3.35 J3.38 J3.S1 J3.S2 J3.S3 J3.S4 J4.A4 J4.A12 J4.A15 J4.A18 J4.A20 J4.A23 J4.A24 J4.A27 J4.A28 J4.A31 J4.A34 J4.A37 J4.A38 J4.A41 J4.A42 J4.A45 J4.A46 J4.A49 J4.A51 J4.A54 J4.A55 J4.A58 J4.A59 J4.A62 J4.A63 J4.A66 J4.A67 J4.A70 J4.A71 J4.A74 J4.A75 J4.A78 J4.A79 J4.A82 J4.B4 J4.B7 J4.B13 J4.B16 J4.B18 J4.B21 J4.B22 J4.B25 J4.B26 J4.B29 J4.B32 J4.B35 J4.B36 J4.B39 J4.B40 J4.B43 J4.B44 J4.B47 J4.B49 J4.B52 J4.B53 J4.B56 J4.B57 J4.B60 J4.B61 J4.B64 J4.B65 J4.B68 J4.B69 J4.B72 J4.B73 J4.B76 J4.B77 J4.B80 J5.A1 J5.A12 J5.B1 J5.B12 J5.S1 J6.A1 J6.A12 J6.B1 J6.B12 J6.S1 J7.2 J7.4 J7.6 J7.8 J7.10 J7.12 J7.14 J7.16 J8.2 J8.4 J8.6 J8.8 J8.10 J8.12 J8.14 J9.5 J10.4 J11.4 J12.4 J13.6 J14.4 J14.5 J14.6 J14.7 J14.8 J15.4 J15.5 J15.6 J15.7 J15.8 J17.1 J18.1 J19.1 Q5.2 Q6.2 Q7.2 Q14.2 Q15.2 Q17.2 R13.2 R16.1 R17.1 R29.1 R36.2 R44.1 R50.2 R52.2 R53.2 R56.2 R59.1 R62.2 R63.2 R65.2 R67.1 R72.1 R73.2 R79.2 R84.1 SW1.2 TH1.2 U1.2 U1.6 U2.10 U2.20 U2.25 U2.44 U2.45 U2.46 U2.47 U2.51 U2.59 U3.4 U4.77 U5.1 U6.2 U6.6 U7.1 U7.11 U8.2 U8.6 U9.4 U10.6 U10.14 U10.21 U11.2 U11.6 U12.8 U12.23 U12.47 U13.6 U13.14 U13.21 Y1.2 Y1.4
/AC_LOSS: J3.15 U12.14
/C_DN: J3.21 U4.56
/C_DP: J3.22 U4.55
/C_RXN: J3.28 U4.52
/C_RXP: J3.27 U4.53
/C_TXN: C74.2 J3.24
/C_TXP: C73.2 J3.25
/CC: C18.1 J1.13 TP12.1 U2.24
/CLKN: J3.30 J4.A14
/CLKP: J3.31 J4.A13
/CLKREQ#: J4.B12 U12.42
/CON_DET: J3.11 TP3.1 U12.10
/DET: J2.40 R63.1
/HP_SHDN#: Q14.1 Q15.1 U12.20
/HSI0N: J2.34 J4.A17
/HSI0P: J2.35 J4.A16
/HSI1N: J2.28 J4.A22
/HSI1P: J2.29 J4.A21
/HSI2N: J2.22 J4.A26
/HSI2P: J2.23 J4.A25
/HSI3N: J2.16 J4.A30
/HSI3P: J2.17 J4.A29
/HSI4N: J2.10 J4.A36
/HSI4P: J2.11 J4.A35
/HSI5N: J2.4 J4.A40
/HSI5P: J2.5 J4.A39
/HSI6N: J3.39 J4.A44
/HSI6P: J3.40 J4.A43
/HSI7N: J3.33 J4.A48
/HSI7P: J3.34 J4.A47
/HSO0N: J2.37 J4.B15
/HSO0P: J2.38 J4.B14
/HSO1N: J2.31 J4.B20
/HSO1P: J2.32 J4.B19
/HSO2N: J2.25 J4.B24
/HSO2P: J2.26 J4.B23
/HSO3N: J2.19 J4.B28
/HSO3P: J2.20 J4.B27
/HSO4N: J2.13 J4.B34
/HSO4P: J2.14 J4.B33
/HSO5N: J2.7 J4.B38
/HSO5P: J2.8 J4.B37
/HSO6N: J2.1 J4.B42
/HSO6P: J2.2 J4.B41
/HSO7N: J3.36 J4.B46
/HSO7P: J3.37 J4.B45
/LED_RED#: J3.7 U12.4
/LED_WHITE#: J3.6 U12.3
/LOCK_DET: J3.9 U12.5
/LOCK_SW: J3.5 U12.2
/MCU/FAN_ON: R75.1 U12.33
/MCU/FAN_PWM: R76.1 U12.39
/MCU/RX: J11.3 U12.31
/MCU/SCL2: R19.2 U12.21
/MCU/SDA2: R20.2 U12.22
/MCU/SWCLK: J10.3 U12.37
/MCU/SWDIO: J10.2 U12.34
/MCU/TX: J11.2 U12.30
/MCU/~{CASE_LED}: R74.1 U12.36
/MCU_IRQ#: J3.16 U12.15
/PERST#: J4.A11 U12.41
/Power 12V (1)/VOUT_12V: C75.1 C76.1 C77.1 C78.1 C80.1 D12.2 J14.1 J14.2 J14.3 L5.2 R57.2
/Power 12V (2)/VOUT_12V: C120.1 C122.1 C124.1 C126.1 C127.1 D14.2 J15.1 J15.2 J15.3 L6.2 R60.2
/PWR_SW: J7.20 R85.1 SW1.1 U12.7
/PWR_SW_OUT: J8.20 U12.25
/PWREN#: J3.12 TP4.1 U12.11
/PWROK: J3.14 TP6.1 U12.13
/RST#: J3.13 TP5.1 U12.12
/RSV0: J3.10 TP2.1 U12.6
/SCL: J3.19 J4.B5 J12.2 R33.2 U2.27 U4.66 U12.45
/SDA: J3.18 J4.B6 J12.3 R34.2 U2.28 U4.65 U12.46
/SYS_3V3: J7.19 J8.19
/SYS_DET: J8.16 U12.27
/SYS_ON: J7.18 J8.18 U12.26
/USB C DFPs/USB_DFP0_D1N: D3.2 D3.9 J5.A7 U4.10
/USB C DFPs/USB_DFP0_D1P: D3.1 D3.10 J5.A6 U4.9
/USB C DFPs/USB_DFP0_D2N: D4.5 D4.6 J5.B7 U4.19
/USB C DFPs/USB_DFP0_D2P: D4.4 D4.7 J5.B6 U4.18
/USB C DFPs/USB_DFP0_RX1N: D2.5 D2.6 J5.B10 U4.7
/USB C DFPs/USB_DFP0_RX1P: D2.4 D2.7 J5.B11 U4.6
/USB C DFPs/USB_DFP0_RX2N: D4.1 D4.10 J5.A10 U4.15
/USB C DFPs/USB_DFP0_RX2P: D4.2 D4.9 J5.A11 U4.16
/USB C DFPs/USB_DFP0_TX1N: C66.1 D2.2 D2.9 J5.A3
/USB C DFPs/USB_DFP0_TX1P: C65.1 D2.1 D2.10 J5.A2
/USB C DFPs/USB_DFP0_TX2N: C67.1 D3.4 D3.7 J5.B3
/USB C DFPs/USB_DFP0_TX2P: C68.1 D3.5 D3.6 J5.B2
/USB C DFPs/USB_DFP0_VBUS: C37.1 C44.1 J5.A4 J5.A9 J5.B4 J5.B9 R80.2 R81.1 U7.8
/USB C DFPs/USB_DFP1_D1N: D6.5 D6.6 J6.A7 U4.23
/USB C DFPs/USB_DFP1_D1P: D6.4 D6.7 J6.A6 U4.22
/USB C DFPs/USB_DFP1_D2N: D5.1 D5.10 J6.B7 U4.38
/USB C DFPs/USB_DFP1_D2P: D5.2 D5.9 J6.B6 U4.37
/USB C DFPs/USB_DFP1_RX1N: D6.2 D6.9 J6.B10 U4.29
/USB C DFPs/USB_DFP1_RX1P: D6.1 D6.10 J6.B11 U4.28
/USB C DFPs/USB_DFP1_RX2N: D7.4 D7.7 J6.A10 U4.34
/USB C DFPs/USB_DFP1_RX2P: D7.5 D7.6 J6.A11 U4.35
/USB C DFPs/USB_DFP1_TX1N: C70.1 D5.5 D5.6 J6.A3
/USB C DFPs/USB_DFP1_TX1P: C69.1 D5.4 D5.7 J6.A2
/USB C DFPs/USB_DFP1_TX2N: C71.1 D7.1 D7.10 J6.B3
/USB C DFPs/USB_DFP1_TX2P: C72.1 D7.2 D7.9 J6.B2
/USB C DFPs/USB_DFP1_VBUS: C38.1 C45.1 J6.A4 J6.A9 J6.B4 J6.B9 R82.2 R83.1 U7.9
/USB Hub/RESET: C116.1 R18.1 U4.68
/USB Hub/REXT: R21.1 U4.47
/USB Hub/SPI_CLK: J13.3 U4.70 U9.6
/USB Hub/SPI_MISO: J13.4 R38.2 U4.71 U9.2
/USB Hub/SPI_MOSI: J13.2 U4.69 U9.5
/USB Hub/SPI_SS: J13.5 R37.2 U4.72 U9.1
/USB Hub/SSTX0+: C73.1 U4.50
/USB Hub/SSTX0-: C74.1 U4.49
/USB Hub/SSTX1+: C65.2 U4.3
/USB Hub/SSTX1-: C66.2 U4.4
/USB Hub/SSTX2+: C67.2 U4.12
/USB Hub/SSTX2-: C68.2 U4.13
/USB Hub/SSTX3+: C69.2 U4.25
/USB Hub/SSTX3-: C70.2 U4.26
/USB Hub/SSTX4+: C71.2 U4.31
/USB Hub/SSTX4-: C72.2 U4.32
/USB Hub/TESTEN: R17.2 U4.74
/USB Hub/USB_DFP0_EN: R24.1 U4.2 U7.5
/USB Hub/USB_DFP0_FLT: R7.2 R8.1 U4.1 U4.75 U7.6
/USB Hub/USB_DFP1_EN: R25.1 U4.76
/USB Hub/USB_DFP2_EN: R26.2 U4.21 U7.4
/USB Hub/USB_DFP2_FLT: R22.2 R23.2 U4.20 U4.40 U7.10
/USB Hub/USB_DFP3_EN: R27.2 U4.39
/USB Hub/USBOC0: R2.1 U4.41
/USB Hub/XI: C91.1 U4.45 Y1.1
